# Altium PCB bms_afe_tester-1_0.PcbDoc (part 3 of 4)
Units mm, origin at the board's own origin, x right, y up, seen from the top; angles counter-clockwise.
Board outline 400 x 85 mm, 4 copper layers (L1, L2, L3, L4), stack 1.586 mm thick; 576 components, 326 nets, 1526 pads, 396 vias.
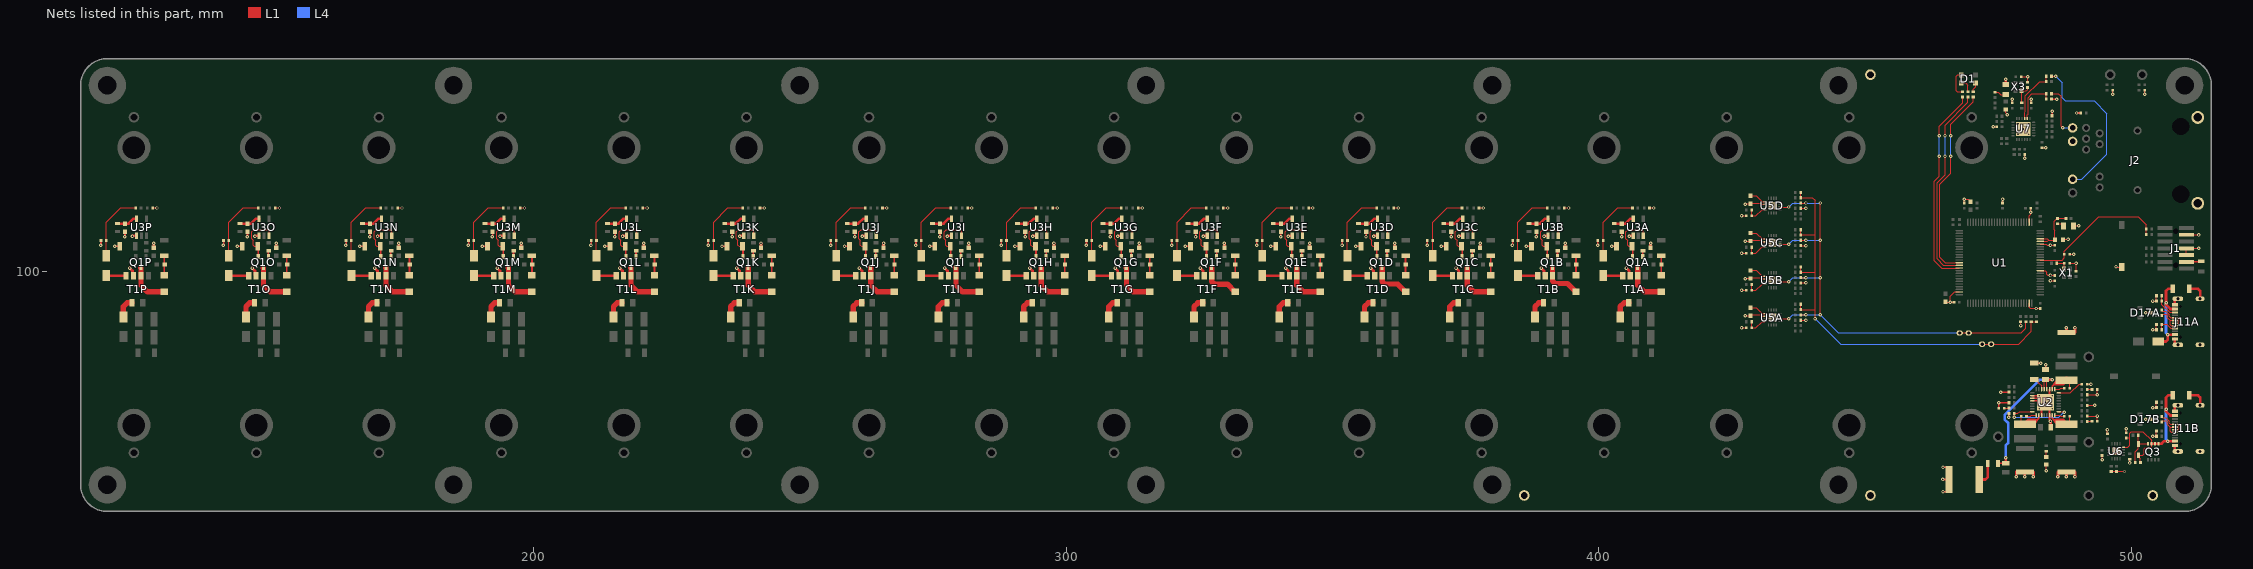
[diagram p5: the nets of this part, all layers, seen from the top]

## Via types
v1: diameter 0.65, hole 0.3, L1 to L4, 396 vias

## Nets (pads, with @x,y where several pads share a name; then routed paths per layer and width w, separated by ;. In a path a pad name is that pad's centre, name@x,y a point inside that pad or via, vN(x,y) a via of type N, cw(c..) or ccw(c..) an arc to the next point about the centre after c; other vN are vias at no path point) (continued)
GND: C1.2 C2.2 C3.2 C4.2 C5.2 C6.2 C7.2 C8.2 C9.2 C10.2 C11.2 C12.2 C13.2 C14.2 C15.2 C16.2 C20.2 C21.2 C22.2 C23.2 C24.2 C25.2 C27.2 C28.2 C29.2 C31.2 C32.2 C33.2 C34A.2 C34B.2 C35A.2 C35B.2 C36.2 C41A.2 C41B.2 C41C.2 C41D.2 C41E.2 C41F.2 C41G.2 C41H.2 C41I.2 C41J.2 C41K.2 C41L.2 C41M.2 C41N.2 C41O.2 C41P.2 C42A.2 C42B.2 C42C.2 C42D.2 C43A.2 C43B.2 C43C.2 C43D.2 C44.2 C45.2 C46.2 C47.2 C48.2 C49.2 C50.2 C51.2 C52.2 C53.2 C54A.2 C54B.2 C54C.2 C54D.2 C54E.2 C54F.2 C54G.2 C54H.2 C54I.2 C54J.2 C54K.2 C54L.2 C54M.2 C54N.2 C54O.2 C54P.2 C55A.2 C55B.2 C55C.2 C55D.2 C55E.2 C55F.2 C55G.2 C55H.2 C55I.2 C55J.2 C55K.2 C55L.2 C55M.2 C55N.2 C55O.2 C55P.2 C56.2 C80A.2 C80B.2 D6.1 D17A.3 D17B.3 J1.5 J1.7 J1.11 J2.13 J2.SHLD J11A.0 J11A.A1 J11A.B1 J11B.0 J11B.A1 J11B.B1 R9.1 R12A.2 R12B.2 R13A.2 R13B.2 R24.1 R39.2 R50.1 R56.1 R58.1 R62.1 R65.1 R66A.1 R66B.1 R66C.1 R66D.1 R66E.1 R66F.1 R66G.1 R66H.1 R66I.1 R66J.1 R66K.1 R66L.1 R66M.1 R66N.1 R66O.1 R66P.1 R67A.1 R67B.1 R67C.1 R67D.1 R67E.1 R67F.1 R67G.1 R67H.1 R67I.1 R67J.1 R67K.1 R67L.1 R67M.1 R67N.1 R67O.1 R67P.1 R72A.1 R72B.1 R72C.1 R72D.1 R78.1 R79.1 R80.1 R86.2 R98.2 S2.1 T1A.3 T1B.3 T1C.3 T1D.3 T1E.3 T1F.3 T1G.3 T1H.3 T1I.3 T1J.3 T1K.3 T1L.3 T1M.3 T1N.3 T1O.3 T1P.3 TP39.1 TP41.1 TP43.1 TP45.1 U1.10 U1.20 U1.27 U1.74 U1.99 U2.2 U2.3 U2.4 U2.11 U2.14 U2.27 U2.EP U3A.1 U3B.1 U3C.1 U3D.1 U3E.1 U3F.1 U3G.1 U3H.1 U3I.1 U3J.1 U3K.1 U3L.1 U3M.1 U3N.1 U3O.1 U3P.1 U5A.14 U5A.EP U5B.14 U5B.EP U5C.14 U5C.EP U5D.14 U5D.EP U6.EP U7.EP | length 242.2
  L1 w0.2: R67P.1@128.525,111.966 v1(129.325,111.966) ; R67O.1@151.525,111.966 v1(152.325,111.966) ; R67N.1@174.525,111.966 v1(175.325,111.966) ; R67M.1@197.525,111.966 v1(198.325,111.966) ; R67L.1@220.525,111.966 v1(221.325,111.966) ; R67K.1@242.525,111.966 v1(243.325,111.966) ; R67J.1@265.525,111.966 v1(266.325,111.966) ; R67I.1@281.525,111.966 v1(282.325,111.966) ; R67H.1@297.525,111.966 v1(298.325,111.966) ; R67G.1@313.525,111.966 v1(314.325,111.966) ; R67F.1@329.525,111.966 v1(330.325,111.966) ; R67E.1@345.525,111.966 v1(346.325,111.966) ; R67D.1@361.525,111.966 v1(362.325,111.966) ; R67C.1@377.525,111.966 v1(378.325,111.966) ; R67B.1@393.525,111.966 v1(394.325,111.966) ; R67A.1@409.525,111.966 v1(410.325,111.966) ; v1(426.8,89.5) C42A.2@427.7,89.5 ; v1(426.8,96.5) C42B.2@427.7,96.5 ; v1(426.8,103.5) C42C.2@427.7,103.5 ; v1(426.8,110.5) C42D.2@427.7,110.5 ; v1(427.5,91.7) 427.55,91.75 C43A.2@428.5,91.75 428.65,91.9 430.4,91.9 430.65,91.65 U5A.14@431.2,91.65 ; v1(427.5,98.7) 427.55,98.75 C43B.2@428.5,98.75 428.65,98.9 430.4,98.9 430.65,98.65 U5B.14@431.2,98.65 ; v1(427.5,105.7) 427.55,105.75 C43C.2@428.5,105.75 ; v1(427.5,112.7) 427.55,112.75 C43D.2@428.5,112.75 428.65,112.9 430.4,112.9 430.65,112.65 U5D.14@431.2,112.65 ; C43C.2@428.525,105.725 C43C.2@428.5,105.75 ; U5C.14@431.2,105.65 430.65,105.65 430.4,105.9 428.65,105.9 C43C.2@428.5,105.75 ; R72A.1@437.9,90.9 v1(438.9,90.9) ; R72B.1@437.9,97.9 v1(438.9,97.9) ; R72C.1@437.9,104.9 v1(438.9,104.9) ; R72D.1@437.9,111.9 v1(438.9,111.9) ; C1.2@465.1,94.35 465.15,94.3 v1(466,94.3) ; C6.2@466.7,94.3 v1(466,94.3) ; U1.74@467.7,96.2 466.8,96.2 466,95.4 v1(466,94.3) ; C9.2@468.6,112.9 v1(468.6,113.6) 469.35,113.6 C2.2@469.8,113.15 ; v1(474.079,127.2) C49.2@474.7,127.2 ; R24.1@475.8,112.9 v1(475.8,113.6) ; C47.2@476.4,130.45 476.4,129.8 v1(476.7,129.5) ; C50.2@477.6,131.7 v1(477.6,132.4) ; v1(479.2,89.9) R39.2@479.2,90.6 ; C53.2@479.3,136.6 v1(480.5,136.6) C52.2@480.5,135.6 ; v1(480,121.3) C51.2@480,122 ; U1.99@480.8,94.1 480.8,93.3 481,93.1 v1(482.1,93.1) C10.2@482.9,93.1 ; U1.27@480.8,109.3 480.8,110.5 481.1,110.8 v1(481.1,111.2) C5.2@481.1,111.9 ; C46.2@481.2,131.7 v1(481.2,132.4) ; U1.10@482.9,100.2 483.8,100.2 484.1,99.9 484.1,99.5 484.3,99.3 v1(484.8,99.3) C4.2@485.6,99.3 ; U1.20@482.9,105.2 484,105.2 484.2,105 v1(484.8,105) C8.2@485.6,105 ; C56.2@483.2,123.3 v1(483.9,123.3) ; v1(484,62.6) D6.1@484,63.8 ; v1(484.8,98.3) C7.2@485.6,98.3 ; C12.2@487.15,106.1 v1(488.1,106.1) ; C15.2@488.4,101.6 v1(489.6,101.6) C16.2@489.6,100.1 ; C14.2@488.4,103.3 v1(489.2,103.3) ; C13.2@489.15,108.6 v1(490.1,108.6) ; R65.1@491.7,72.9 493.599,72.9 v1(493.59,72.909) 493.6,72.899 C33.2@493.6,71.9 ; R50.1@491.7,74.9 v1(493.1,74.9) ; R56.1@491.7,76.9 v1(493.6,76.9) C25.2@493.6,77.9 ; C24.2@491.7,78.9 v1(492.4,78.9) ; v1(494.5,64.7) R78.1@494.5,65.5 ; C45.2@495.5,69.6 v1(495.5,70.3) ; R79.1@496.2,62.5 R80.1@497.2,62.5 v1(498.7,62.5) ; v1(496.5,133.3) C11.2@496.5,134.1 ; v1(497.1,100.9) 497.15,100.85 S2.1@498.2,100.85 ; C44.2@499,69.8 v1(499,70.5) ; v1(499.7,64.1) R9.1@499.7,64.8 ; v1(502.5,133.3) C3.2@502.5,134.1 ; v1(502.7,72.3) D17B.3@503.625,72.3 ; v1(502.7,92.3) D17A.3@503.625,92.3 ; v1(504,69.1) R13B.2@504.7,69.1 C35B.2@504.7,70.1 ; v1(504,74.5) C34B.2@504.7,74.5 R12B.2@504.7,75.5 ; v1(504,89.1) R13A.2@504.7,89.1 C35A.2@504.7,90.1 ; v1(504,94.5) C34A.2@504.7,94.5 R12A.2@504.7,95.5 ; J1.5@510.332,103.13 J1.7@510.332,104.4 v1(512.6,104.4) ; J1.11@510.332,106.94 512.56,106.94 v1(512.6,106.9)
  L1 w0.3: v1(118.8,104.95) 118.825,104.975 C54P.2@118.825,105.866 ; v1(121.4,104.8) R66P.1@122.35,104.8 ; v1(123.3,106.6) 123.325,106.625 C55P.2@123.325,107.516 ; v1(141.8,104.95) 141.825,104.975 C54O.2@141.825,105.866 ; v1(144.4,104.8) R66O.1@145.35,104.8 ; v1(146.3,106.6) 146.325,106.625 C55O.2@146.325,107.516 ; v1(164.8,104.95) 164.825,104.975 C54N.2@164.825,105.866 ; v1(167.4,104.8) R66N.1@168.35,104.8 ; v1(169.3,106.6) 169.325,106.625 C55N.2@169.325,107.516 ; v1(187.8,104.95) 187.825,104.975 C54M.2@187.825,105.866 ; v1(190.4,104.8) R66M.1@191.35,104.8 ; v1(192.3,106.6) 192.325,106.625 C55M.2@192.325,107.516 ; v1(210.8,104.95) 210.825,104.975 C54L.2@210.825,105.866 ; v1(213.4,104.8) R66L.1@214.35,104.8 ; v1(215.3,106.6) 215.325,106.625 C55L.2@215.325,107.516 ; v1(232.8,104.95) 232.825,104.975 C54K.2@232.825,105.866 ; v1(235.4,104.8) R66K.1@236.35,104.8 ; v1(237.3,106.6) 237.325,106.625 C55K.2@237.325,107.516 ; v1(255.8,104.95) 255.825,104.975 C54J.2@255.825,105.866 ; v1(258.4,104.8) R66J.1@259.35,104.8 ; v1(260.3,106.6) 260.325,106.625 C55J.2@260.325,107.516 ; v1(271.8,104.95) 271.825,104.975 C54I.2@271.825,105.866 ; v1(274.4,104.8) R66I.1@275.35,104.8 ; v1(276.3,106.6) 276.325,106.625 C55I.2@276.325,107.516 ; v1(287.8,104.95) 287.825,104.975 C54H.2@287.825,105.866 ; v1(290.4,104.8) R66H.1@291.35,104.8 ; v1(292.3,106.6) 292.325,106.625 C55H.2@292.325,107.516 ; v1(303.8,104.95) 303.825,104.975 C54G.2@303.825,105.866 ; v1(306.4,104.8) R66G.1@307.35,104.8 ; v1(308.3,106.6) 308.325,106.625 C55G.2@308.325,107.516 ; v1(319.8,104.95) 319.825,104.975 C54F.2@319.825,105.866 ; v1(322.4,104.8) R66F.1@323.35,104.8 ; v1(324.3,106.6) 324.325,106.625 C55F.2@324.325,107.516 ; v1(335.8,104.95) 335.825,104.975 C54E.2@335.825,105.866 ; v1(338.4,104.8) R66E.1@339.35,104.8 ; v1(340.3,106.6) 340.325,106.625 C55E.2@340.325,107.516 ; v1(351.8,104.95) 351.825,104.975 C54D.2@351.825,105.866 ; v1(354.4,104.8) R66D.1@355.35,104.8 ; v1(356.3,106.6) 356.325,106.625 C55D.2@356.325,107.516 ; v1(367.8,104.95) 367.825,104.975 C54C.2@367.825,105.866 ; v1(370.4,104.8) R66C.1@371.35,104.8 ; v1(372.3,106.6) 372.325,106.625 C55C.2@372.325,107.516 ; v1(383.8,104.95) 383.825,104.975 C54B.2@383.825,105.866 ; v1(386.4,104.8) R66B.1@387.35,104.8 ; v1(388.3,106.6) 388.325,106.625 C55B.2@388.325,107.516 ; v1(399.8,104.95) 399.825,104.975 C54A.2@399.825,105.866 ; v1(402.4,104.8) R66A.1@403.35,104.8 ; v1(404.3,106.6) 404.325,106.625 C55A.2@404.325,107.516 ; v1(464.6,61) C23.2@465.775,61 ; v1(464.625,58.7) C23.2@465.8,58.7 ; v1(464.625,63.3) C23.2@465.8,63.3 ; C29.2@475.1,74.4 v1(475.1,75.4) R62.1@477,75.4 ; v1(475.5,77.4) R58.1@477,77.4 ; v1(477,72.7) C32.2@477,73.4 ; U2.4@481.4,75.75 U2.EP@482.483,75.75 ; U2.3@481.4,76.25 U2.EP@482.483,76.25 ; U2.2@481.4,76.75 U2.EP@482.483,76.75 ; C21.2@481.8,82.85 482.95,82.85 v1(483,82.8) ; U2.11@483.125,73.025 U2.EP@483.125,74.108 ; C20.2@483.9,81.65 v1(483.9,82.5) ; U2.EP@484.625,74.108 U2.14@484.625,73.025 484.625,72.181 484.8,72.006 v1(484.8,71.9) ; U2.EP@484.625,76.911 U2.27@484.625,77.975 ; R98.2@485,132.4 v1(486,132.4) ; R86.2@485.1,129.3 v1(485.1,130.1) ; v1(489.7,129.8) C36.2@490.5,129.8
  L1 w0.5: v1(124.201,100.693) 124.201,100.689 124.725,100.166 124.725,99.416 T1P.3@124.925,99.216 ; v1(124.725,106.666) 124.815,106.756 U3P.1@125.475,106.756 ; C41P.2@128.725,104.516 v1(128.725,105.366) ; v1(147.201,100.693) 147.201,100.689 147.725,100.166 147.725,99.416 T1O.3@147.925,99.216 ; v1(147.725,106.666) 147.815,106.756 U3O.1@148.475,106.756 ; C41O.2@151.725,104.516 v1(151.725,105.366) ; v1(170.201,100.693) 170.201,100.689 170.725,100.166 170.725,99.416 T1N.3@170.925,99.216 ; v1(170.725,106.666) 170.815,106.756 U3N.1@171.475,106.756 ; C41N.2@174.725,104.516 v1(174.725,105.366) ; v1(193.201,100.693) 193.201,100.689 193.725,100.166 193.725,99.416 T1M.3@193.925,99.216 ; v1(193.725,106.666) 193.815,106.756 U3M.1@194.475,106.756 ; C41M.2@197.725,104.516 v1(197.725,105.366) ; v1(216.201,100.693) 216.201,100.689 216.725,100.166 216.725,99.416 T1L.3@216.925,99.216 ; v1(216.725,106.666) 216.815,106.756 U3L.1@217.475,106.756 ; C41L.2@220.725,104.516 v1(220.725,105.366) ; v1(238.201,100.693) 238.201,100.689 238.725,100.166 238.725,99.416 T1K.3@238.925,99.216 ; v1(238.725,106.666) 238.815,106.756 U3K.1@239.475,106.756 ; C41K.2@242.725,104.516 v1(242.725,105.366) ; v1(261.201,100.693) 261.201,100.689 261.725,100.166 261.725,99.416 T1J.3@261.925,99.216 ; v1(261.725,106.666) 261.815,106.756 U3J.1@262.475,106.756 ; C41J.2@265.725,104.516 v1(265.725,105.366) ; v1(277.201,100.693) 277.201,100.689 277.725,100.166 277.725,99.416 T1I.3@277.925,99.216 ; v1(277.725,106.666) 277.815,106.756 U3I.1@278.475,106.756 ; C41I.2@281.725,104.516 v1(281.725,105.366) ; v1(293.201,100.693) 293.201,100.689 293.725,100.166 293.725,99.416 T1H.3@293.925,99.216 ; v1(293.725,106.666) 293.815,106.756 U3H.1@294.475,106.756 ; C41H.2@297.725,104.516 v1(297.725,105.366) ; v1(309.201,100.693) 309.201,100.689 309.725,100.166 309.725,99.416 T1G.3@309.925,99.216 ; v1(309.725,106.666) 309.815,106.756 U3G.1@310.475,106.756 ; C41G.2@313.725,104.516 v1(313.725,105.366) ; v1(325.201,100.693) 325.201,100.689 325.725,100.166 325.725,99.416 T1F.3@325.925,99.216 ; v1(325.725,106.666) 325.815,106.756 U3F.1@326.475,106.756 ; C41F.2@329.725,104.516 v1(329.725,105.366) ; v1(341.201,100.693) 341.201,100.689 341.725,100.166 341.725,99.416 T1E.3@341.925,99.216 ; v1(341.725,106.666) 341.815,106.756 U3E.1@342.475,106.756 ; C41E.2@345.725,104.516 v1(345.725,105.366) ; v1(357.201,100.693) 357.201,100.689 357.725,100.166 357.725,99.416 T1D.3@357.925,99.216 ; v1(357.725,106.666) 357.815,106.756 U3D.1@358.475,106.756 ; C41D.2@361.725,104.516 v1(361.725,105.366) ; v1(373.201,100.693) 373.201,100.689 373.725,100.166 373.725,99.416 T1C.3@373.925,99.216 ; v1(373.725,106.666) 373.815,106.756 U3C.1@374.475,106.756 ; C41C.2@377.725,104.516 v1(377.725,105.366) ; v1(389.201,100.693) 389.201,100.689 389.725,100.166 389.725,99.416 T1B.3@389.925,99.216 ; v1(389.725,106.666) 389.815,106.756 U3B.1@390.475,106.756 ; C41B.2@393.725,104.516 v1(393.725,105.366) ; v1(405.201,100.693) 405.201,100.689 405.725,100.166 405.725,99.416 T1A.3@405.925,99.216 ; v1(405.725,106.666) 405.815,106.756 U3A.1@406.475,106.756 ; C41A.2@409.725,104.516 v1(409.725,105.366) ; C48.2@476.4,135.15 v1(476.4,136.1) ; v1(478.4,61.5) C28.2@478.4,62.4 ; v1(480,61.5) C28.2@480,62.4 ; v1(481.6,61.5) C28.2@481.6,62.4 ; v1(484.8,71.9) 484.85,71.85 C27.2@484.85,70.8 ; v1(486.2,61.5) C31.2@486.2,62.4 ; v1(487.8,61.5) C31.2@487.8,62.4 ; C22.2@487.8,88.6 v1(487.8,89.5) ; v1(489.4,61.5) C31.2@489.4,62.4 ; C22.2@489.4,88.6 v1(489.4,89.5) ; J11B.0@508.139,66.271 508.15,66.282 J11B.A1@508.15,67.4 ; J11B.0@508.139,74.899 508.15,74.888 J11B.B1@508.15,73.8 ; J11A.0@508.139,86.271 508.15,86.282 J11A.A1@508.15,87.4 ; J11A.0@508.139,94.899 508.15,94.888 J11A.B1@508.15,93.8 ; C80B.2@510.85,76.8 512.5,76.8 512.9,76.4 J11B.0@512.9,74.925 ; C80A.2@510.85,96.8 512.5,96.8 512.9,96.4 J11A.0@512.9,94.925
  other v1: 497.1,66.3 482.7,74.3 485.1,74.3 483.875,75.5 482.7,76.7 485.1,76.7 432.6,91.4 432.6,98.4 432.6,105.4 432.6,112.4 478.7,125.8 480.7,125.8 479.7,126.8 478.7,127.8 480.7,127.8
I2C1.SCL_1: R36.1 R71A.1 R71B.1 R71C.1 R71D.1 TP62.1 U5A.6 U5B.6 U5C.6 U5D.6 | length 98.2
  L1 w0.2: U5A.6@434,91.15 v1(435.695,91.15) ; U5B.6@434,98.15 v1(435.695,98.15) ; U5C.6@434,105.15 v1(435.695,105.15) ; U5D.6@434,112.15 435.695,112.15 v1(435.697,112.152) ; R71A.1@437.9,91.9 v1(438.9,91.9) ; R71B.1@437.9,98.9 v1(438.9,98.9) ; R71C.1@437.9,105.9 v1(438.9,105.9) ; R71D.1@437.9,112.9 v1(438.9,112.9) ; v1(441.6,91.9) v1(441.6,98.9) v1(441.6,105.9) v1(441.6,112.9) ; TP62.1@467.756,88.5 TP62.1@469.456,88.5 479.3,88.5 480.2,89.4 R36.1@480.2,90.6
  L4 w0.2: v1(435.695,91.15) 436.445,91.9 v1(438.9,91.9) v1(441.6,91.9) 445,88.5 TP62.1@467.756,88.5 ; v1(435.695,98.15) 436.445,98.9 v1(438.9,98.9) v1(441.6,98.9) ; v1(435.695,105.15) 436.445,105.9 v1(438.9,105.9) v1(441.6,105.9) ; v1(435.697,112.152) 436.445,112.9 v1(438.9,112.9) v1(441.6,112.9)
I2C1.SDA_1: R35.1 R54.1 R69A.2 R69B.2 R69C.2 R69D.2 R70A.2 R70B.2 R70C.2 R70D.2 TP63.1 | length 83.6
  L1 w0.203: R69A.2@437.9,93.9 R70A.2@437.9,92.9 440.6,92.9 ; R69B.2@437.9,100.9 R70B.2@437.9,99.9 440.6,99.9 ; R69C.2@437.9,107.9 R70C.2@437.9,106.9 440.6,106.9 ; R69D.2@437.9,114.9 R70D.2@437.9,113.9 440.1,113.9 440.6,113.4 440.6,106.9 ; v1(440.6,91.2) 440.6,92.9 ; TP63.1@471.956,86.4 TP63.1@473.656,86.4 478.8,86.4 481.2,88.8 R35.1@481.2,90.6 R54.1@482.2,90.6 ; 440.6,92.9 440.6,99.9 ; 440.6,99.9 440.6,106.9
  L4 w0.203: v1(440.6,91.2) 445.4,86.4 TP63.1@471.956,86.4
LED0_2: R1.2 U1.63 | length 36.8
  L1 w0.203: v1(466.1,121.7) 466.1,118.5 464,116.4 464,102.7 465,101.7 U1.63@467.7,101.7 ; v1(466.1,125.5) 466.1,127.7 470.3,131.9 R1.2@470.3,132.8
  L4 w0.203: v1(466.1,121.7) v1(466.1,125.5)
LED1: R95.1 R96.2 U7.3 | length 10.3
  L1 w0.2: U7.3@479.95,128.75 479.95,129.85 480.1,130 480.1,133 482.8,135.7 R95.1@484,135.7 R96.2@484,136.7
LED1_2: R2.2 U1.64 | length 37.5
  L1 w0.203: v1(465,121.7) 465,118.2 463.5,116.7 463.5,102.4 464.7,101.2 U1.64@467.7,101.2 ; v1(465,125.5) 465,127.5 469.3,131.8 R2.2@469.3,132.8
  L4 w0.203: v1(465,121.7) v1(465,125.5)
LED2: R97.2 R98.1 U7.2 | length 8.7
  L1 w0.203: U7.2@480.45,128.75 480.45,129.45 480.6,129.6 480.6,132.7 481.3,133.4 R97.2@484,133.4 R98.1@484,132.4
LED2_2: R7.2 U1.65 | length 38.2
  L1 w0.203: v1(463.9,121.7) 463.9,117.9 463,117 463,102.1 464.4,100.7 U1.65@467.7,100.7 ; v1(463.9,125.5) 463.9,127.3 468.3,131.7 R7.2@468.3,132.8
  L4 w0.203: v1(463.9,121.7) v1(463.9,125.5)
MCU_nRST_2: C14.1 R30.2 R32.1 U1.14 | length 26.4
  L1 w0.203: U1.14@482.9,102.2 487,102.2 487.4,102.6 C14.1@487.4,103.3 487.4,103.8 493.9,110.3 501.3,110.3 502.8,108.8 R30.2@502.8,108 R32.1@502.8,107
MCU_VDDA_2: C12.1 FB1.1 R11.2 U1.21 U1.22 | length 10.5
  L1 w0.203: U1.21@482.9,105.7 484.2,105.7 484.45,105.95 ; U1.22@482.9,106.2 484.2,106.2 484.45,105.95 ; FB1.1@487.75,110 R11.2@486.1,110 486.05,110 485.546,109.496 485.546,107.924 485.65,107.82 C12.1@485.65,106 485.6,105.95 484.45,105.95
NetC13_1: C13.1 R11.1 | length 1
  L1 w0.203: R11.1@486.1,109 C13.1@487.062,109
NetC15_1: C15.1 R42.2 X1.1 | length 2.5
  L1 w0.203: R42.2@486,101.6 C15.1@487.4,101.6 487.4,100.55 X1.1@487.35,100.5
NetC19_1: C19.1 U2.25 | length 1.8
  L1 w0.203: U2.25@485.625,77.975 486.575,77.975 486.7,78.1 C19.1@487.4,78.1
NetC19_2: C19.2 L1.1 U2.26 | length 5.5
  L1 w0.2: C19.2@488.4,78.1 L1.1@488.4,79.801
  L1 w0.3: U2.26@485.125,77.975 485.125,78.525 485.5,78.9
  L1 w0.5: 485.5,78.9 485.8,78.9 L1.1@486,79.1
  L1 w1: L1.1@486,79.1 487.085,79.1 L1.1@487.8,79.815
NetC20_1: C20.1 FB2.2 R49.2 U2.28 U2.29 | length 27.7
  L1 w0.2: U2.29@483.625,77.975 483.625,79.475 C20.1@483.9,79.75 484.125,79.525 U2.28@484.125,77.975
  L1 w0.3: R49.2@474.95,64 475,64.05 FB2.2@476.4,64.05
  L1 w0.5: FB2.2@476.4,64.05 v1(476.4,65.1) ; C20.1@483.9,79.75 v1(485.147,79.75)
  L4 w0.5: v1(476.4,65.1) 476.4,67.4 476.85,67.85 476.85,71.65 476.2,72.3 476.2,73.1 482.85,79.75 v1(485.147,79.75)
NetC21_1: C21.1 U2.30 | length 1.9
  L1 w0.2: C21.1@482.5,79.594 482.5,79.176 483.125,78.552 U2.30@483.125,77.975
NetC23_1: C23.1 R49.1 | length 4.4
  L1 w0.5: C23.1@471.425,61 472.6,61 473.05,61.45 R49.1@473.05,64
NetC24_1: C24.1 U2.24 | length 5
  L1 w0.2: U2.24@486.35,77.25 488.55,77.25 490.2,78.9 C24.1@490.7,78.9
NetC25_1: C25.1 R51.1 | length 0.9
  L1 w0.2: R51.1@491.7,77.9 C25.1@492.6,77.9
NetC26_1: C26.1 U2.9 | length 1.9
  L1 w0.2: C26.1@480.3,72.9 481.1,72.9 481.225,73.025 U2.9@482.125,73.025
NetC26_2: C26.2 L2.1 U2.10 | length 5.5
  L1 w0.2: L2.1@479.35,71.199 C26.2@479.35,72.9
  L1 w0.3: 482.25,72.1 482.625,72.475 U2.10@482.625,73.025
  L1 w0.5: L2.1@481.75,71.9 481.95,72.1 482.25,72.1
  L1 w1: L2.1@479.95,71.185 480.665,71.9 L2.1@481.75,71.9
NetC29_1: C29.1 R61.1 | length 0.9
  L1 w0.2: C29.1@476.1,74.4 R61.1@477,74.4
NetC30_1: C30.1 U2.16 | length 1.8
  L1 w0.2: U2.16@485.625,73.025 486.575,73.025 486.7,72.9 C30.1@487.4,72.9
NetC30_2: C30.2 L3.1 U2.15 | length 5.5
  L1 w0.2: L3.1@488.4,71.199 C30.2@488.4,72.9
  L1 w0.3: U2.15@485.125,73.025 485.125,72.475 485.5,72.1
  L1 w0.5: 485.5,72.1 485.8,72.1 L3.1@486,71.9
  L1 w1: L3.1@486,71.9 487.085,71.9 L3.1@487.8,71.185
NetC32_1: C32.1 U2.8 U2.17 | length 15.2
  L1 w0.2: v1(478,72.7) C32.1@478,73.4 478.7,73.4 479.05,73.75 U2.8@481.4,73.75 ; U2.17@486.35,73.75 487.277,73.75 v1(487.4,73.627)
  L1 w0.203: U2.8@481.4,73.75 U2.8@481.407,73.757
  L4 w0.2: v1(478,72.7) 486.4,72.7 487.4,73.7 v1(487.4,73.627)
NetC33_1: C33.1 R64.1 | length 0.9
  L1 w0.2: R64.1@491.7,71.9 C33.1@492.6,71.9
NetC34A_1: C34A.1 J11A.B5 R12A.1 | length 4.8
  L1 w0.2: R12A.1@505.7,95.5 505.7,93.8 507.15,92.35 J11A.B5@508.15,92.35
NetC35A_1: C35A.1 J11A.A5 R13A.1 | length 3.8
  L1 w0.2: R13A.1@505.7,89.1 C35A.1@505.7,90.1 506.6,90.1 507.35,89.35 J11A.A5@508.15,89.35
NetC38A_2: C38A.2 D3A.2 R10A.1 | length 3.7
  L1 w0.3: D3A.2@411.725,99.316 R10A.1@411.725,103.016
NetC38B_2: C38B.2 D3B.2 R10B.1 | length 3.7
  L1 w0.3: D3B.2@395.725,99.316 R10B.1@395.725,103.016
NetC38C_2: C38C.2 D3C.2 R10C.1 | length 3.7
  L1 w0.3: D3C.2@379.725,99.316 R10C.1@379.725,103.016
NetC38D_2: C38D.2 D3D.2 R10D.1 | length 3.7
  L1 w0.3: D3D.2@363.725,99.316 R10D.1@363.725,103.016
NetC38E_2: C38E.2 D3E.2 R10E.1 | length 3.7
  L1 w0.3: D3E.2@347.725,99.316 R10E.1@347.725,103.016
NetC38F_2: C38F.2 D3F.2 R10F.1 | length 3.7
  L1 w0.3: D3F.2@331.725,99.316 R10F.1@331.725,103.016
NetC38G_2: C38G.2 D3G.2 R10G.1 | length 3.7
  L1 w0.3: D3G.2@315.725,99.316 R10G.1@315.725,103.016
NetC38H_2: C38H.2 D3H.2 R10H.1 | length 3.7
  L1 w0.3: D3H.2@299.725,99.316 R10H.1@299.725,103.016
NetC38I_2: C38I.2 D3I.2 R10I.1 | length 3.7
  L1 w0.3: D3I.2@283.725,99.316 R10I.1@283.725,103.016
NetC38J_2: C38J.2 D3J.2 R10J.1 | length 3.7
  L1 w0.3: D3J.2@267.725,99.316 R10J.1@267.725,103.016
NetC38K_2: C38K.2 D3K.2 R10K.1 | length 3.7
  L1 w0.3: D3K.2@244.725,99.316 R10K.1@244.725,103.016
NetC38L_2: C38L.2 D3L.2 R10L.1 | length 3.7
  L1 w0.3: D3L.2@222.725,99.316 R10L.1@222.725,103.016
NetC38M_2: C38M.2 D3M.2 R10M.1 | length 3.7
  L1 w0.3: D3M.2@199.725,99.316 R10M.1@199.725,103.016
NetC38N_2: C38N.2 D3N.2 R10N.1 | length 3.7
  L1 w0.3: D3N.2@176.725,99.316 R10N.1@176.725,103.016
NetC38O_2: C38O.2 D3O.2 R10O.1 | length 3.7
  L1 w0.3: D3O.2@153.725,99.316 R10O.1@153.725,103.016
NetC38P_2: C38P.2 D3P.2 R10P.1 | length 3.7
  L1 w0.3: D3P.2@130.725,99.316 R10P.1@130.725,103.016
NetC42A_1: C42A.1 R75A.1 U5A.16 | length 4.1
  L1 w0.2: R75A.1@428.7,90.6 C42A.1@428.7,89.5 429.5,89.5 430.65,90.65 U5A.16@431.2,90.65
NetC42B_1: C42B.1 R75B.1 U5B.16 | length 4.1
  L1 w0.2: R75B.1@428.7,97.6 C42B.1@428.7,96.5 429.5,96.5 430.65,97.65 U5B.16@431.2,97.65
NetC42C_1: C42C.1 R75C.1 U5C.16 | length 4.1
  L1 w0.2: R75C.1@428.7,104.6 C42C.1@428.7,103.5 429.5,103.5 430.65,104.65 U5C.16@431.2,104.65
NetC42D_1: C42D.1 R75D.1 U5D.16 | length 4.1
  L1 w0.2: R75D.1@428.7,111.6 C42D.1@428.7,110.5 429.5,110.5 430.65,111.65 U5D.16@431.2,111.65
NetC43A_1: C43A.1 U5A.13 | length 3.2
  L1 w0.2: C43A.1@428.5,93.25 429.55,93.25 430.65,92.15 U5A.13@431.2,92.15
NetC43B_1: C43B.1 U5B.13 | length 3.2
  L1 w0.2: C43B.1@428.5,100.25 429.55,100.25 430.65,99.15 U5B.13@431.2,99.15
NetC43C_1: C43C.1 U5C.13 | length 3.2
  L1 w0.2: C43C.1@428.5,107.25 429.55,107.25 430.65,106.15 U5C.13@431.2,106.15
NetC43D_1: C43D.1 U5D.13 | length 3.2
  L1 w0.2: C43D.1@428.5,114.25 429.55,114.25 430.65,113.15 U5D.13@431.2,113.15
NetC44_1: C44.1 C80B.1 D9.2 J11B.A4 J11B.B4 Q3.1 Q3.2 Q3.3 R76.2 U6.16 | length 32.3
  L1 w0.2: U6.16@498.5,67.05 499.35,67.05 499.7,67.4 499.7,68.8 ; C44.1@499,68.8 499.7,68.8 ; R76.2@501.7,64.2 501.7,64.9 501.3,65.3 D9.2@501.3,65.53 502.13,65.53 502.4,65.8 502.4,66.8 502.6,67 503.6,67 503.775,67.175 Q3.3@503.775,67.7 503.775,68.325 502.1,70 500,70 499.7,69.7 499.7,68.8
  L1 w0.5: Q3.3@503.775,67.7 Q3.2@504.425,67.7 Q3.1@505.075,67.7 505.6,67.7 506.1,68.2 v1(506.8,68.2) J11B.A4@508.15,68.2 ; C80B.1@507.75,76.8 506.9,76.8 506.5,76.4 v1(506.5,74.2) 506.5,73.8 507.3,73 J11B.B4@508.15,73
  L4 w0.5: v1(506.5,74.2) 506.5,68.5 v1(506.8,68.2)
NetC48_1: C48.1 R84.1 | length 2.2
  L1 w0.203: R84.1@474.4,133.7 475,133.7 475.45,133.25 C48.1@476.4,133.25
NetC52_1: C52.1 R85.1 X3.3 | length 4
  L1 w0.203: R85.1@479.4,131.7 479.4,133.95 X3.3@479.35,134 480.3,134 480.5,134.2 C52.1@480.5,134.6
NetC54A_1: C54A.1 D4A.2 R68A.2 | length 12.9
  L1 w0.2: D4A.2@400.825,103.016 C54A.1@400.825,105.866 400.825,109.266 403.525,111.966 R68A.2@406.325,111.966
NetC54B_1: C54B.1 D4B.2 R68B.2 | length 12.9
  L1 w0.2: D4B.2@384.825,103.016 C54B.1@384.825,105.866 384.825,109.266 387.525,111.966 R68B.2@390.325,111.966
NetC54C_1: C54C.1 D4C.2 R68C.2 | length 12.9
  L1 w0.2: D4C.2@368.825,103.016 C54C.1@368.825,105.866 368.825,109.266 371.525,111.966 R68C.2@374.325,111.966
NetC54D_1: C54D.1 D4D.2 R68D.2 | length 12.9
  L1 w0.2: D4D.2@352.825,103.016 C54D.1@352.825,105.866 352.825,109.266 355.525,111.966 R68D.2@358.325,111.966
NetC54E_1: C54E.1 D4E.2 R68E.2 | length 12.9
  L1 w0.2: D4E.2@336.825,103.016 C54E.1@336.825,105.866 336.825,109.266 339.525,111.966 R68E.2@342.325,111.966
NetC54F_1: C54F.1 D4F.2 R68F.2 | length 12.9
  L1 w0.2: D4F.2@320.825,103.016 C54F.1@320.825,105.866 320.825,109.266 323.525,111.966 R68F.2@326.325,111.966
NetC54G_1: C54G.1 D4G.2 R68G.2 | length 12.9
  L1 w0.2: D4G.2@304.825,103.016 C54G.1@304.825,105.866 304.825,109.266 307.525,111.966 R68G.2@310.325,111.966
NetC54H_1: C54H.1 D4H.2 R68H.2 | length 12.9
  L1 w0.2: D4H.2@288.825,103.016 C54H.1@288.825,105.866 288.825,109.266 291.525,111.966 R68H.2@294.325,111.966
NetC54I_1: C54I.1 D4I.2 R68I.2 | length 12.9
  L1 w0.2: D4I.2@272.825,103.016 C54I.1@272.825,105.866 272.825,109.266 275.525,111.966 R68I.2@278.325,111.966
NetC54J_1: C54J.1 D4J.2 R68J.2 | length 12.9
  L1 w0.2: D4J.2@256.825,103.016 C54J.1@256.825,105.866 256.825,109.266 259.525,111.966 R68J.2@262.325,111.966
NetC54K_1: C54K.1 D4K.2 R68K.2 | length 12.9
  L1 w0.2: D4K.2@233.825,103.016 C54K.1@233.825,105.866 233.825,109.266 236.525,111.966 R68K.2@239.325,111.966
NetC54L_1: C54L.1 D4L.2 R68L.2 | length 12.9
  L1 w0.2: D4L.2@211.825,103.016 C54L.1@211.825,105.866 211.825,109.266 214.525,111.966 R68L.2@217.325,111.966
NetC54M_1: C54M.1 D4M.2 R68M.2 | length 12.9
  L1 w0.2: D4M.2@188.825,103.016 C54M.1@188.825,105.866 188.825,109.266 191.525,111.966 R68M.2@194.325,111.966
NetC54N_1: C54N.1 D4N.2 R68N.2 | length 12.9
  L1 w0.2: D4N.2@165.825,103.016 C54N.1@165.825,105.866 165.825,109.266 168.525,111.966 R68N.2@171.325,111.966
NetC54O_1: C54O.1 D4O.2 R68O.2 | length 12.9
  L1 w0.2: D4O.2@142.825,103.016 C54O.1@142.825,105.866 142.825,109.266 145.525,111.966 R68O.2@148.325,111.966
NetC54P_1: C54P.1 D4P.2 R68P.2 | length 12.9
  L1 w0.2: D4P.2@119.825,103.016 C54P.1@119.825,105.866 119.825,109.266 122.525,111.966 R68P.2@125.325,111.966
NetC55A_1: C55A.1 R14A.2 U3A.5 | length 4
  L1 w0.5: R14A.2@402.9,109.05 402.934,109.016 C55A.1@404.325,109.016 404.975,109.016 405.935,109.976 U3A.5@406.475,109.976
NetC55B_1: C55B.1 R14B.2 U3B.5 | length 4
  L1 w0.5: R14B.2@386.9,109.05 386.934,109.016 C55B.1@388.325,109.016 388.975,109.016 389.935,109.976 U3B.5@390.475,109.976
NetC55C_1: C55C.1 R14C.2 U3C.5 | length 4
  L1 w0.5: R14C.2@370.9,109.05 370.934,109.016 C55C.1@372.325,109.016 372.975,109.016 373.935,109.976 U3C.5@374.475,109.976
NetC55D_1: C55D.1 R14D.2 U3D.5 | length 4
  L1 w0.5: R14D.2@354.9,109.05 354.934,109.016 C55D.1@356.325,109.016 356.975,109.016 357.935,109.976 U3D.5@358.475,109.976
NetC55E_1: C55E.1 R14E.2 U3E.5 | length 4
  L1 w0.5: R14E.2@338.9,109.05 338.934,109.016 C55E.1@340.325,109.016 340.975,109.016 341.935,109.976 U3E.5@342.475,109.976
NetC55F_1: C55F.1 R14F.2 U3F.5 | length 4
  L1 w0.5: R14F.2@322.9,109.05 322.934,109.016 C55F.1@324.325,109.016 324.975,109.016 325.935,109.976 U3F.5@326.475,109.976
NetC55G_1: C55G.1 R14G.2 U3G.5 | length 4
  L1 w0.5: R14G.2@306.9,109.05 306.934,109.016 C55G.1@308.325,109.016 308.975,109.016 309.935,109.976 U3G.5@310.475,109.976
NetC55H_1: C55H.1 R14H.2 U3H.5 | length 4
  L1 w0.5: R14H.2@290.9,109.05 290.934,109.016 C55H.1@292.325,109.016 292.975,109.016 293.935,109.976 U3H.5@294.475,109.976
NetC55I_1: C55I.1 R14I.2 U3I.5 | length 4
  L1 w0.5: R14I.2@274.9,109.05 274.934,109.016 C55I.1@276.325,109.016 276.975,109.016 277.935,109.976 U3I.5@278.475,109.976
NetC55J_1: C55J.1 R14J.2 U3J.5 | length 4
  L1 w0.5: R14J.2@258.9,109.05 258.934,109.016 C55J.1@260.325,109.016 260.975,109.016 261.935,109.976 U3J.5@262.475,109.976
NetC55K_1: C55K.1 R14K.2 U3K.5 | length 4
  L1 w0.5: R14K.2@235.9,109.05 235.934,109.016 C55K.1@237.325,109.016 237.975,109.016 238.935,109.976 U3K.5@239.475,109.976
NetC55L_1: C55L.1 R14L.2 U3L.5 | length 4
  L1 w0.5: R14L.2@213.9,109.05 213.934,109.016 C55L.1@215.325,109.016 215.975,109.016 216.935,109.976 U3L.5@217.475,109.976
NetC55M_1: C55M.1 R14M.2 U3M.5 | length 4
  L1 w0.5: R14M.2@190.9,109.05 190.934,109.016 C55M.1@192.325,109.016 192.975,109.016 193.935,109.976 U3M.5@194.475,109.976
NetC55N_1: C55N.1 R14N.2 U3N.5 | length 4
  L1 w0.5: R14N.2@167.9,109.05 167.934,109.016 C55N.1@169.325,109.016 169.975,109.016 170.935,109.976 U3N.5@171.475,109.976
NetC55O_1: C55O.1 R14O.2 U3O.5 | length 4
  L1 w0.5: R14O.2@144.9,109.05 144.934,109.016 C55O.1@146.325,109.016 146.975,109.016 147.935,109.976 U3O.5@148.475,109.976
NetC55P_1: C55P.1 R14P.2 U3P.5 | length 4
  L1 w0.5: R14P.2@121.9,109.05 121.934,109.016 C55P.1@123.325,109.016 123.975,109.016 124.935,109.976 U3P.5@125.475,109.976
NetD1_1: D1.1 R7.1 | length 5
  L1 w0.2: D1.1@468.05,136.95 467.35,136.95 467.1,136.7 467.1,134 467.3,133.8 R7.1@468.3,133.8
NetD1_3: D1.3 R2.1 | length 2.6
  L1 w0.2: D1.3@468.05,135.45 468.85,135.45 469.3,135 R2.1@469.3,133.8
NetD1_4: D1.4 R1.1 | length 1.8
  L1 w0.2: R1.1@470.3,133.8 470.3,134.3 470.75,134.75 D1.4@470.75,135.45
NetD2_1: C80A.1 D2.1 J11A.A4 J11A.B4 | length 16.3
  L1 w0.5: D2.1@505.05,86.9 506.5,86.9 506.8,87.2 v1(506.8,88.2) J11A.A4@508.15,88.2 ; C80A.1@507.75,96.8 506.9,96.8 506.5,96.4 v1(506.5,94.2) 506.5,93.8 507.3,93 J11A.B4@508.15,93
  L4 w0.5: v1(506.5,94.2) 506.5,88.5 v1(506.8,88.2)
NetD3A_1: D3A.1 Q1A.3 T1A.2 | length 8.2
  L1 w1: Q1A.3@407.3,100.775 407.325,100.75 T1A.2@407.325,99.216 407.325,97.466 408.575,96.216 D3A.1@411.725,96.216
NetD3B_1: D3B.1 Q1B.3 T1B.2 | length 7.8
  L1 w1: Q1B.3@391.3,100.775 391.325,100.75 T1B.2@391.325,99.216 391.325,98.275 391.8,97.8 394.141,97.8 D3B.1@395.725,96.216
NetD3C_1: D3C.1 Q1C.3 T1C.2 | length 8.2
  L1 w1: Q1C.3@375.3,100.775 375.325,100.75 T1C.2@375.325,99.216 375.325,97.466 376.575,96.216 D3C.1@379.725,96.216
NetD3D_1: D3D.1 Q1D.3 T1D.2 | length 7.8
  L1 w1: Q1D.3@359.3,100.775 359.325,100.75 T1D.2@359.325,99.216 359.325,98.175 359.8,97.7 362.241,97.7 D3D.1@363.725,96.216
NetD3E_1: D3E.1 Q1E.3 T1E.2 | length 8.2
  L1 w1: Q1E.3@343.3,100.775 343.325,100.75 T1E.2@343.325,99.216 343.325,97.466 344.575,96.216 D3E.1@347.725,96.216
NetD3F_1: D3F.1 Q1F.3 T1F.2 | length 7.8
  L1 w1: Q1F.3@327.3,100.775 327.325,100.75 T1F.2@327.325,99.216 327.325,98.194 327.851,97.667 330.273,97.667 D3F.1@331.725,96.216
NetD3G_1: D3G.1 Q1G.3 T1G.2 | length 8.2
  L1 w1: Q1G.3@311.3,100.775 311.325,100.75 T1G.2@311.325,99.216 311.325,97.466 312.575,96.216 D3G.1@315.725,96.216
NetD3H_1: D3H.1 Q1H.3 T1H.2 | length 8.2
  L1 w1: Q1H.3@295.3,100.775 295.325,100.75 T1H.2@295.325,99.216 295.325,97.466 296.575,96.216 D3H.1@299.725,96.216
NetD3I_1: D3I.1 Q1I.3 T1I.2 | length 8.2
  L1 w1: Q1I.3@279.3,100.775 279.325,100.75 T1I.2@279.325,99.216 279.325,97.466 280.575,96.216 D3I.1@283.725,96.216
NetD3J_1: D3J.1 Q1J.3 T1J.2 | length 8.2
  L1 w1: Q1J.3@263.3,100.775 263.325,100.75 T1J.2@263.325,99.216 263.325,97.466 264.575,96.216 D3J.1@267.725,96.216
NetD3K_1: D3K.1 Q1K.3 T1K.2 | length 8.2
  L1 w1: Q1K.3@240.3,100.775 240.325,100.75 T1K.2@240.325,99.216 240.325,97.466 241.575,96.216 D3K.1@244.725,96.216
NetD3L_1: D3L.1 Q1L.3 T1L.2 | length 8.2
  L1 w1: Q1L.3@218.3,100.775 218.325,100.75 T1L.2@218.325,99.216 218.325,97.466 219.575,96.216 D3L.1@222.725,96.216
NetD3M_1: D3M.1 Q1M.3 T1M.2 | length 8.2
  L1 w1: Q1M.3@195.3,100.775 195.325,100.75 T1M.2@195.325,99.216 195.325,97.466 196.575,96.216 D3M.1@199.725,96.216
NetD3N_1: D3N.1 Q1N.3 T1N.2 | length 8.2
  L1 w1: Q1N.3@172.3,100.775 172.325,100.75 T1N.2@172.325,99.216 172.325,97.466 173.575,96.216 D3N.1@176.725,96.216
NetD3O_1: D3O.1 Q1O.3 T1O.2 | length 8.2
  L1 w1: Q1O.3@149.3,100.775 149.325,100.75 T1O.2@149.325,99.216 149.325,97.466 150.575,96.216 D3O.1@153.725,96.216
NetD3P_1: D3P.1 Q1P.3 T1P.2 | length 8.2
  L1 w1: Q1P.3@126.3,100.775 126.325,100.75 T1P.2@126.325,99.216 126.325,97.466 127.575,96.216 D3P.1@130.725,96.216
NetD4A_1: D4A.1 T1A.4 | length 3.7
  L1 w0.5: D4A.1@400.825,99.316 400.925,99.216 T1A.4@404.525,99.216
NetD4B_1: D4B.1 T1B.4 | length 3.7
  L1 w0.5: D4B.1@384.825,99.316 384.925,99.216 T1B.4@388.525,99.216
NetD4C_1: D4C.1 T1C.4 | length 3.7
  L1 w0.5: D4C.1@368.825,99.316 368.925,99.216 T1C.4@372.525,99.216
NetD4D_1: D4D.1 T1D.4 | length 3.7
  L1 w0.5: D4D.1@352.825,99.316 352.925,99.216 T1D.4@356.525,99.216
NetD4E_1: D4E.1 T1E.4 | length 3.7
  L1 w0.5: D4E.1@336.825,99.316 336.925,99.216 T1E.4@340.525,99.216
NetD4F_1: D4F.1 T1F.4 | length 3.7
  L1 w0.5: D4F.1@320.825,99.316 320.925,99.216 T1F.4@324.525,99.216
NetD4G_1: D4G.1 T1G.4 | length 3.7
  L1 w0.5: D4G.1@304.825,99.316 304.925,99.216 T1G.4@308.525,99.216
NetD4H_1: D4H.1 T1H.4 | length 3.7
  L1 w0.5: D4H.1@288.825,99.316 288.925,99.216 T1H.4@292.525,99.216
NetD4I_1: D4I.1 T1I.4 | length 3.7
  L1 w0.5: D4I.1@272.825,99.316 272.925,99.216 T1I.4@276.525,99.216
NetD4J_1: D4J.1 T1J.4 | length 3.7
  L1 w0.5: D4J.1@256.825,99.316 256.925,99.216 T1J.4@260.525,99.216
NetD4K_1: D4K.1 T1K.4 | length 3.7
  L1 w0.5: D4K.1@233.825,99.316 233.925,99.216 T1K.4@237.525,99.216
NetD4L_1: D4L.1 T1L.4 | length 3.7
  L1 w0.5: D4L.1@211.825,99.316 211.925,99.216 T1L.4@215.525,99.216
NetD4M_1: D4M.1 T1M.4 | length 3.7
  L1 w0.5: D4M.1@188.825,99.316 188.925,99.216 T1M.4@192.525,99.216
NetD4N_1: D4N.1 T1N.4 | length 3.7
  L1 w0.5: D4N.1@165.825,99.316 165.925,99.216 T1N.4@169.525,99.216
NetD4O_1: D4O.1 T1O.4 | length 3.7
  L1 w0.5: D4O.1@142.825,99.316 142.925,99.216 T1O.4@146.525,99.216
NetD4P_1: D4P.1 T1P.4 | length 3.7
  L1 w0.5: D4P.1@119.825,99.316 119.925,99.216 T1P.4@123.525,99.216
NetD6_2: D6.2 R60.1 | length 1.1
  L1 w0.2: D6.2@484,65.2 R60.1@484,66.3
NetD7A_1: D7A.1 T1A.5 | length 3.8
  L1 w1: D7A.1@404.025,91.516 404.025,93.466 404.725,94.166 T1A.5@405.625,94.166
NetD7B_1: D7B.1 T1B.5 | length 3.8
  L1 w1: D7B.1@388.025,91.516 388.025,93.466 388.725,94.166 T1B.5@389.625,94.166
NetD7C_1: D7C.1 T1C.5 | length 3.8
  L1 w1: D7C.1@372.025,91.516 372.025,93.466 372.725,94.166 T1C.5@373.625,94.166
NetD7D_1: D7D.1 T1D.5 | length 3.8
  L1 w1: D7D.1@356.025,91.516 356.025,93.466 356.725,94.166 T1D.5@357.625,94.166
NetD7E_1: D7E.1 T1E.5 | length 3.8
  L1 w1: D7E.1@340.025,91.516 340.025,93.466 340.725,94.166 T1E.5@341.625,94.166
NetD7F_1: D7F.1 T1F.5 | length 3.8
  L1 w1: D7F.1@324.025,91.516 324.025,93.466 324.725,94.166 T1F.5@325.625,94.166
NetD7G_1: D7G.1 T1G.5 | length 3.8
  L1 w1: D7G.1@308.025,91.516 308.025,93.466 308.725,94.166 T1G.5@309.625,94.166
NetD7H_1: D7H.1 T1H.5 | length 3.8
  L1 w1: D7H.1@292.025,91.516 292.025,93.466 292.725,94.166 T1H.5@293.625,94.166
NetD7I_1: D7I.1 T1I.5 | length 3.8
  L1 w1: D7I.1@276.025,91.516 276.025,93.466 276.725,94.166 T1I.5@277.625,94.166
NetD7J_1: D7J.1 T1J.5 | length 3.8
  L1 w1: D7J.1@260.025,91.516 260.025,93.466 260.725,94.166 T1J.5@261.625,94.166
NetD7K_1: D7K.1 T1K.5 | length 3.8
  L1 w1: D7K.1@237.025,91.516 237.025,93.466 237.725,94.166 T1K.5@238.625,94.166
NetD7L_1: D7L.1 T1L.5 | length 3.8
  L1 w1: D7L.1@215.025,91.516 215.025,93.466 215.725,94.166 T1L.5@216.625,94.166
NetD7M_1: D7M.1 T1M.5 | length 3.8
  L1 w1: D7M.1@192.025,91.516 192.025,93.466 192.725,94.166 T1M.5@193.625,94.166
NetD7N_1: D7N.1 T1N.5 | length 3.8
  L1 w1: D7N.1@169.025,91.516 169.025,93.466 169.725,94.166 T1N.5@170.625,94.166
NetD7O_1: D7O.1 T1O.5 | length 3.8
  L1 w1: D7O.1@146.025,91.516 146.025,93.466 146.725,94.166 T1O.5@147.625,94.166
NetD7P_1: D7P.1 T1P.5 | length 3.8
  L1 w1: D7P.1@123.025,91.516 123.025,93.466 123.725,94.166 T1P.5@124.625,94.166
NetD9_1: D9.1 Q3.4 R76.1 R77.2 | length 7.2
  L1 w0.2: R76.1@500.7,64.2 500.7,66.2 501.3,66.8 D9.1@501.3,67.67 ; R77.2@501.3,69.3 D9.1@501.3,67.67 ; Q3.4@503.125,67.7 503.095,67.67 D9.1@501.3,67.67
NetJ1_3: J1.3 R20.1 | length 2.8
  L1 w0.3: J1.3@510.332,101.86 513.01,101.86 R20.1@513.1,101.95
NetJ2_12: J2.12 R97.1 | length 9.9
  L1 w0.2: R97.1@485,133.4 486.3,133.4 486.8,132.9 486.8,127.3 v1(487.1,127)
  L4 w0.2: v1(487.1,127) J2.12@488.96,127
NetJ2_14: J2.14 R96.1 | length 30.9
  L1 w0.2: R96.1@485,136.7 v1(485.8,136.7)
  L4 w0.2: v1(485.8,136.7) 487,135.5 487,132.7 487.6,132.1 493,132.1 495.4,129.7 495.4,122.1 490.648,117.348 J2.14@488.96,117.348
NetJ11A_A6: J11A.A6 J11A.B6 R128A.2 | length 5.8
  L1 w0.2: R128A.2@505.7,92.8 505.9,92.6 506.4,92.6 507.1,91.9 507.1,91.6 507.35,91.35 J11A.B6@508.15,91.35 508.85,91.35 509,91.2 509,90.5 508.85,90.35 J11A.A6@508.15,90.35
NetJ11A_A7: J11A.A7 J11A.B7 R129A.2 | length 5
  L1 w0.2: R129A.2@505.7,91.8 505.9,92 506.5,92 506.748,91.752 506.748,91.352 507.25,90.85 ; J11A.B7@508.15,89.85 507.45,89.85 507.25,90.05 507.25,90.85 ; J11A.A7@508.15,90.85 507.25,90.85
NetJ11B_A6: J11B.A6 J11B.B6 R128B.2 | length 5.8
  L1 w0.2: R128B.2@505.7,72.8 505.9,72.6 506.4,72.6 507.1,71.9 507.1,71.6 507.35,71.35 J11B.B6@508.15,71.35 508.85,71.35 509,71.2 509,70.5 508.85,70.35 J11B.A6@508.15,70.35
NetJ11B_A7: J11B.A7 J11B.B7 R129B.2 | length 5
  L1 w0.2: R129B.2@505.7,71.8 505.9,72 506.5,72 506.748,71.752 506.748,71.352 507.25,70.85 ; J11B.B7@508.15,69.85 507.45,69.85 507.25,70.05 507.25,70.85 ; J11B.A7@508.15,70.85 507.25,70.85
NetQ1A_1: Q1A.1 R8A.1 | length 1.1
  L1 w0.3: Q1A.1@408.25,102.825 408.25,103.9 R8A.1@408.3,103.95
NetQ1A_2: Q1A.2 R66A.2 U3A.3 | length 10
  L1 w0.2: R66A.2@406.25,104.8 405.6,104.8 405.4,105 405.4,105.9 405.1,106.2 405.1,107.5 405.5,107.9 408.1,107.9 408.375,107.625 U3A.3@408.375,106.756
  L1 w0.3: R66A.2@406.25,104.8 406.35,104.7 Q1A.2@406.35,102.825
NetQ1B_1: Q1B.1 R8B.1 | length 1.1
  L1 w0.3: Q1B.1@392.25,102.825 392.25,103.9 R8B.1@392.3,103.95
NetQ1B_2: Q1B.2 R66B.2 U3B.3 | length 10
  L1 w0.2: R66B.2@390.25,104.8 389.6,104.8 389.4,105 389.4,105.9 389.1,106.2 389.1,107.5 389.5,107.9 392.1,107.9 392.375,107.625 U3B.3@392.375,106.756
  L1 w0.3: R66B.2@390.25,104.8 390.35,104.7 Q1B.2@390.35,102.825
NetQ1C_1: Q1C.1 R8C.1 | length 1.1
  L1 w0.3: Q1C.1@376.25,102.825 376.25,103.9 R8C.1@376.3,103.95
NetQ1C_2: Q1C.2 R66C.2 U3C.3 | length 10
  L1 w0.2: R66C.2@374.25,104.8 373.6,104.8 373.4,105 373.4,105.9 373.1,106.2 373.1,107.5 373.5,107.9 376.1,107.9 376.375,107.625 U3C.3@376.375,106.756
  L1 w0.3: R66C.2@374.25,104.8 374.35,104.7 Q1C.2@374.35,102.825
NetQ1D_1: Q1D.1 R8D.1 | length 1.1
  L1 w0.3: Q1D.1@360.25,102.825 360.25,103.9 R8D.1@360.3,103.95
NetQ1D_2: Q1D.2 R66D.2 U3D.3 | length 10
  L1 w0.2: R66D.2@358.25,104.8 357.6,104.8 357.4,105 357.4,105.9 357.1,106.2 357.1,107.5 357.5,107.9 360.1,107.9 360.375,107.625 U3D.3@360.375,106.756
  L1 w0.3: R66D.2@358.25,104.8 358.35,104.7 Q1D.2@358.35,102.825
NetQ1E_1: Q1E.1 R8E.1 | length 1.1
  L1 w0.3: Q1E.1@344.25,102.825 344.25,103.9 R8E.1@344.3,103.95
NetQ1E_2: Q1E.2 R66E.2 U3E.3 | length 10
  L1 w0.2: R66E.2@342.25,104.8 341.6,104.8 341.4,105 341.4,105.9 341.1,106.2 341.1,107.5 341.5,107.9 344.1,107.9 344.375,107.625 U3E.3@344.375,106.756
  L1 w0.3: R66E.2@342.25,104.8 342.35,104.7 Q1E.2@342.35,102.825
NetQ1F_1: Q1F.1 R8F.1 | length 1.1
  L1 w0.3: Q1F.1@328.25,102.825 328.25,103.9 R8F.1@328.3,103.95
NetQ1F_2: Q1F.2 R66F.2 U3F.3 | length 10
  L1 w0.2: R66F.2@326.25,104.8 325.6,104.8 325.4,105 325.4,105.9 325.1,106.2 325.1,107.5 325.5,107.9 328.1,107.9 328.375,107.625 U3F.3@328.375,106.756
  L1 w0.3: R66F.2@326.25,104.8 326.35,104.7 Q1F.2@326.35,102.825
NetQ1G_1: Q1G.1 R8G.1 | length 1.1
  L1 w0.3: Q1G.1@312.25,102.825 312.25,103.9 R8G.1@312.3,103.95
NetQ1G_2: Q1G.2 R66G.2 U3G.3 | length 10
  L1 w0.2: R66G.2@310.25,104.8 309.6,104.8 309.4,105 309.4,105.9 309.1,106.2 309.1,107.5 309.5,107.9 312.1,107.9 312.375,107.625 U3G.3@312.375,106.756
  L1 w0.3: R66G.2@310.25,104.8 310.35,104.7 Q1G.2@310.35,102.825
NetQ1H_1: Q1H.1 R8H.1 | length 1.1
  L1 w0.3: Q1H.1@296.25,102.825 296.25,103.9 R8H.1@296.3,103.95
NetQ1H_2: Q1H.2 R66H.2 U3H.3 | length 10
  L1 w0.2: R66H.2@294.25,104.8 293.6,104.8 293.4,105 293.4,105.9 293.1,106.2 293.1,107.5 293.5,107.9 296.1,107.9 296.375,107.625 U3H.3@296.375,106.756
  L1 w0.3: R66H.2@294.25,104.8 294.35,104.7 Q1H.2@294.35,102.825
NetQ1I_1: Q1I.1 R8I.1 | length 1.1
  L1 w0.3: Q1I.1@280.25,102.825 280.25,103.9 R8I.1@280.3,103.95
NetQ1I_2: Q1I.2 R66I.2 U3I.3 | length 10
  L1 w0.2: R66I.2@278.25,104.8 277.6,104.8 277.4,105 277.4,105.9 277.1,106.2 277.1,107.5 277.5,107.9 280.1,107.9 280.375,107.625 U3I.3@280.375,106.756
  L1 w0.3: R66I.2@278.25,104.8 278.35,104.7 Q1I.2@278.35,102.825
NetQ1J_1: Q1J.1 R8J.1 | length 1.1
  L1 w0.3: Q1J.1@264.25,102.825 264.25,103.9 R8J.1@264.3,103.95
NetQ1J_2: Q1J.2 R66J.2 U3J.3 | length 10
  L1 w0.2: R66J.2@262.25,104.8 261.6,104.8 261.4,105 261.4,105.9 261.1,106.2 261.1,107.5 261.5,107.9 264.1,107.9 264.375,107.625 U3J.3@264.375,106.756
  L1 w0.3: R66J.2@262.25,104.8 262.35,104.7 Q1J.2@262.35,102.825
NetQ1K_1: Q1K.1 R8K.1 | length 1.1
  L1 w0.3: Q1K.1@241.25,102.825 241.25,103.9 R8K.1@241.3,103.95
NetQ1K_2: Q1K.2 R66K.2 U3K.3 | length 10
  L1 w0.2: R66K.2@239.25,104.8 238.6,104.8 238.4,105 238.4,105.9 238.1,106.2 238.1,107.5 238.5,107.9 241.1,107.9 241.375,107.625 U3K.3@241.375,106.756
  L1 w0.3: R66K.2@239.25,104.8 239.35,104.7 Q1K.2@239.35,102.825
NetQ1L_1: Q1L.1 R8L.1 | length 1.1
  L1 w0.3: Q1L.1@219.25,102.825 219.25,103.9 R8L.1@219.3,103.95
NetQ1L_2: Q1L.2 R66L.2 U3L.3 | length 10
  L1 w0.2: R66L.2@217.25,104.8 216.6,104.8 216.4,105 216.4,105.9 216.1,106.2 216.1,107.5 216.5,107.9 219.1,107.9 219.375,107.625 U3L.3@219.375,106.756
  L1 w0.3: R66L.2@217.25,104.8 217.35,104.7 Q1L.2@217.35,102.825
NetQ1M_1: Q1M.1 R8M.1 | length 1.1
  L1 w0.3: Q1M.1@196.25,102.825 196.25,103.9 R8M.1@196.3,103.95
NetQ1M_2: Q1M.2 R66M.2 U3M.3 | length 10
  L1 w0.2: R66M.2@194.25,104.8 193.6,104.8 193.4,105 193.4,105.9 193.1,106.2 193.1,107.5 193.5,107.9 196.1,107.9 196.375,107.625 U3M.3@196.375,106.756
  L1 w0.3: R66M.2@194.25,104.8 194.35,104.7 Q1M.2@194.35,102.825
NetQ1N_1: Q1N.1 R8N.1 | length 1.1
  L1 w0.3: Q1N.1@173.25,102.825 173.25,103.9 R8N.1@173.3,103.95
NetQ1N_2: Q1N.2 R66N.2 U3N.3 | length 10
  L1 w0.2: R66N.2@171.25,104.8 170.6,104.8 170.4,105 170.4,105.9 170.1,106.2 170.1,107.5 170.5,107.9 173.1,107.9 173.375,107.625 U3N.3@173.375,106.756
  L1 w0.3: R66N.2@171.25,104.8 171.35,104.7 Q1N.2@171.35,102.825
NetQ1O_1: Q1O.1 R8O.1 | length 1.1
  L1 w0.3: Q1O.1@150.25,102.825 150.25,103.9 R8O.1@150.3,103.95
NetQ1O_2: Q1O.2 R66O.2 U3O.3 | length 10
  L1 w0.2: R66O.2@148.25,104.8 147.6,104.8 147.4,105 147.4,105.9 147.1,106.2 147.1,107.5 147.5,107.9 150.1,107.9 150.375,107.625 U3O.3@150.375,106.756
  L1 w0.3: R66O.2@148.25,104.8 148.35,104.7 Q1O.2@148.35,102.825